# Altium PCB Power.PcbDoc (continued)
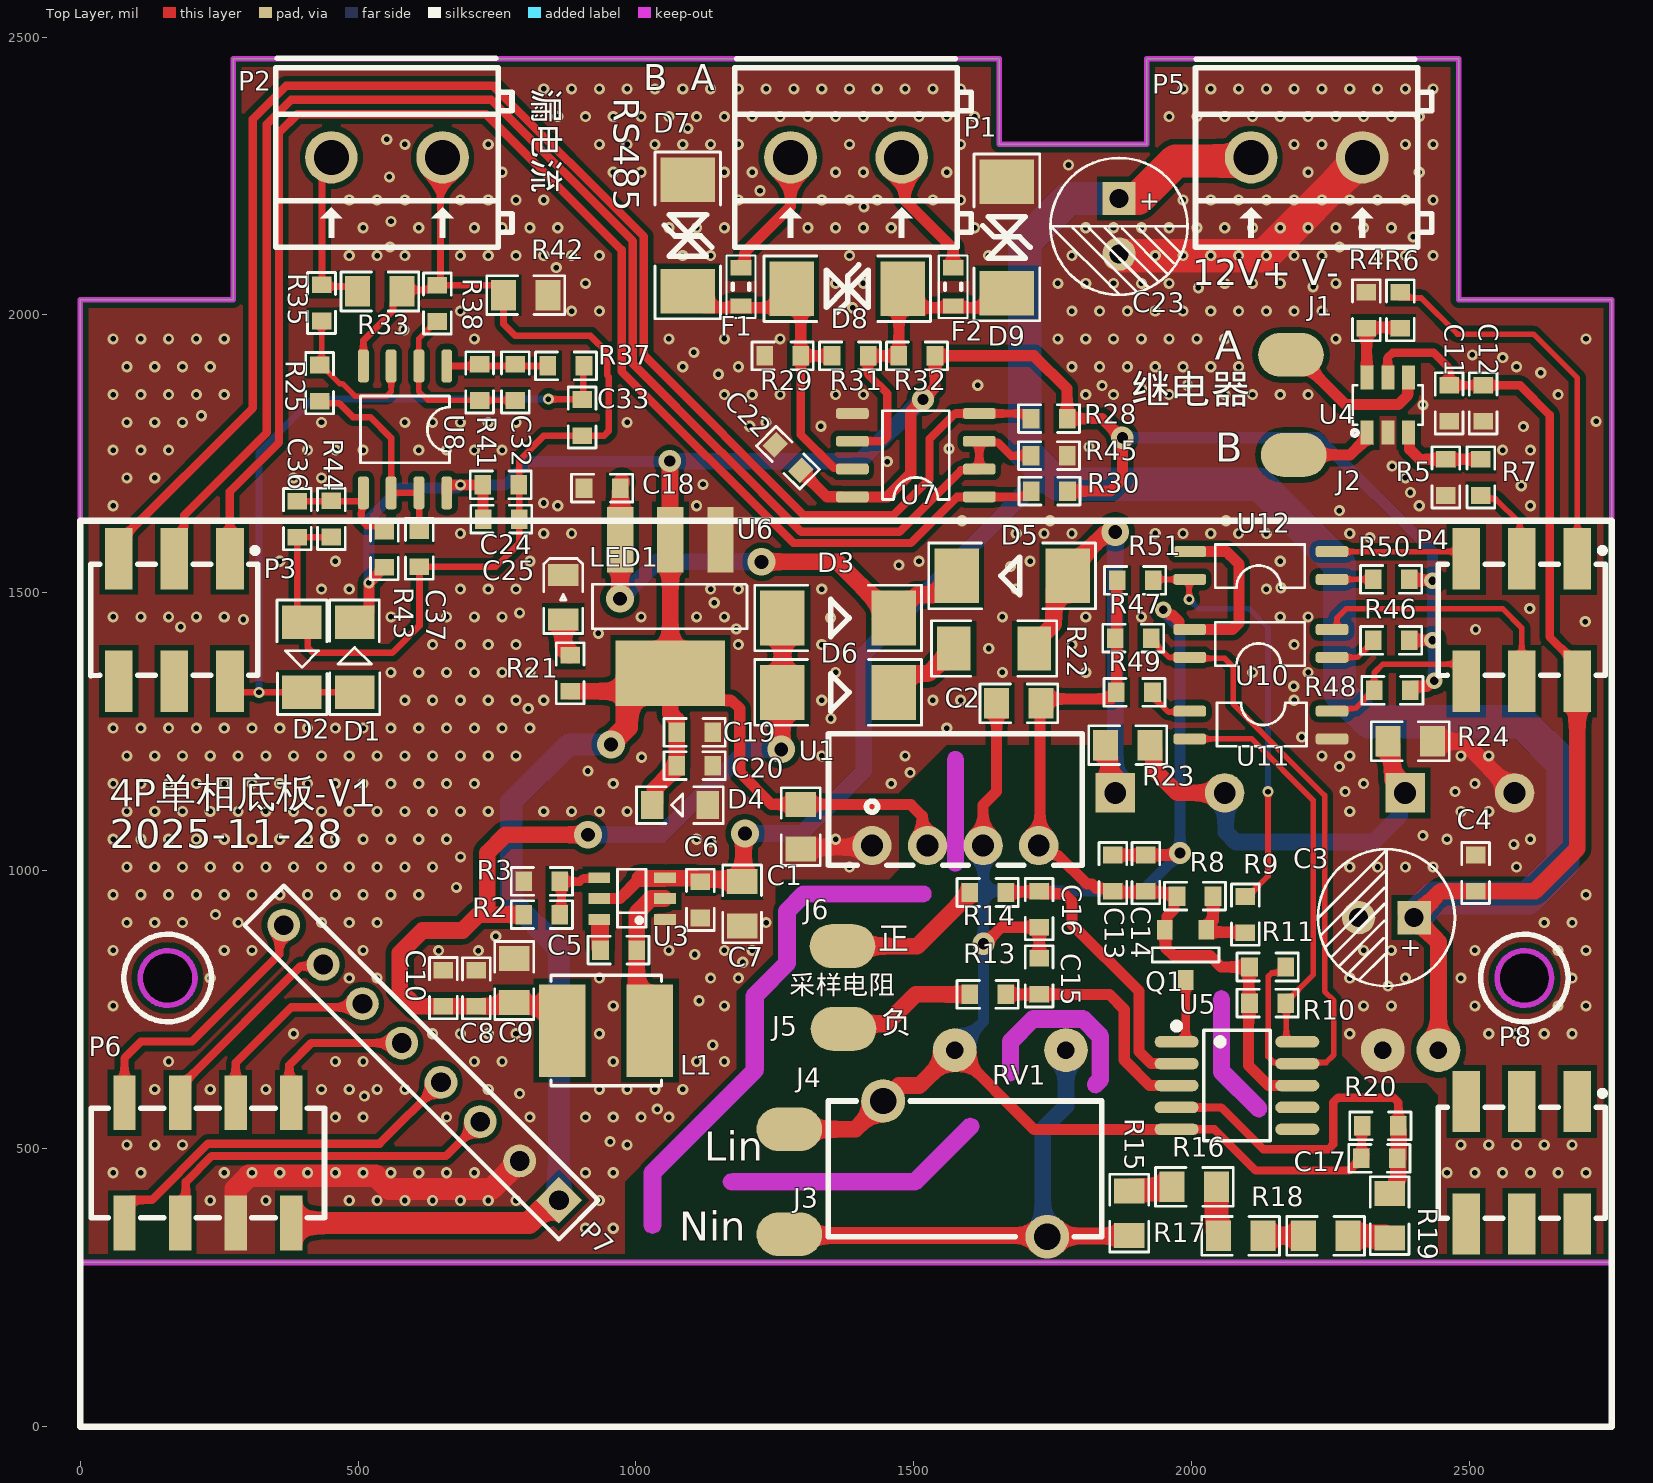
[diagram p0: Top Layer view]
## Nets (pads, with @x,y where several pads share a name; then routed paths per layer and width w, separated by ;. In a path a pad name is that pad's centre, name@x,y a point inside that pad or via, vN(x,y) a via of type N, cw(c..) or ccw(c..) an arc to the next point about the centre after c; other vN are vias at no path point)
4G_MCU_RXD: P6.1 P7.5 | length 287.8
  Top Layer w15: P6.1 376.4,586.36 376.4,650.59 415.9,690.09 P7.5
4G_MCU_TXD: P6.8 P7.4 | length 691.3
  Top Layer w15: P6.8 79.92,395.43 92.49,408.01 129.48,408.01 230.51,509.03 539,509.03 P7.4
4G_Reset: P6.6 P7.3 | length 653.1
  Top Layer w15: P6.6 190.23,376.61 190.23,440.47 236.74,486.98 658.36,486.98 P7.3
485_A: F2.2 P1.2 | length 236.8
  Top Layer w20: P1.2 1484.27,2277.4 1484.27,2206.34 1570.73,2119.88 F2.2
485_B: F1.2 P1.1 | length 237.1
  Top Layer w20: F1.2 1192.14,2085.16 1195.92,2088.94 1195.92,2113.2 1278.09,2195.36 P1.1
AGND: C24.1 C25.1 C33.2 C36.2 C37.2 D2.2 P2.2 R33.1 R38.2 R42.2 R44.2 U8.4 | length 2120.4
  Top Layer w12: R44.2 451.67,1600.31 391.03,1600.31 C36.2 390.78,1455.23 D2.2 409.38,1436.63 409.38,1401.98 418.99,1392.37 561.76,1392.37 610.51,1441.13 C37.2 747.73,1546.92 790.23,1589.42 C25.1 790.23,1738.54 834.63,1782.94 C33.2 942.92,1782.94 950.9,1790.92 950.9,1888.72 948.35,1891.27 948.35,1932.51 918.42,1962.45 783.03,1962.45 761.78,1983.7 R42.2 761.78,2036.7 745.28,2053.2 R38.2@648.27,2053.2 ; U8.4 509.66,1954.34 562.84,2007.53 562.84,2020.85 574.63,2032.64 579.34,2032.64 R33.1 ; R33.1@581.52,2032.64 594.01,2045.14 R38.2@642.83,2045.14 ; R38.2 R38.2@648.27,2053.2 ; P2.2 648.27,2279.82 R38.2@648.27,2053.2
BL0942_Control: R9.2 R51.1 U12.4 | length 768.7
  Top Layer w10: R51.1 1932.64,1524.26 U12.4 1995.28,1523.07 v1(1995.28,1488.25) ; R9.2 2106.47,963.67 2110.42,963.67 2137.2,990.45 v1(2137.2,1142.44)
  Bottom Layer w10: v1(1995.28,1488.25) 2011.98,1471.55 2102.71,1471.55 2137.2,1437.06 v1(2137.2,1142.44)
BL0942_MCU_RXD: P4.6 R48.1 U11.4 | length 315.7
  Top Layer w10: U11.4 2257.2,1292.03 2294.5,1292.03 2314.42,1311.94 2318.3,1311.94 2328.3,1321.94 R48.1 2328.3,1356.33 2343.87,1371.91 2473.69,1371.91 2493.69,1351.91 P4.6
BL0942_MCU_TXD: P4.4 U10.2 | length 476.5
  Top Layer w10: U10.2 2256.4,1434.07 2261.24,1438.91 2261.24,1454.75 2278.04,1471.55 2559.2,1471.55 2593.69,1437.06 P4.4
BL0942_RXD: R11.1 R47.1 U5.9 U10.4 | length 1254.9
  Top Layer w10: R47.1 1927.32,1415.9 1959.15,1384.07 U10.4 1998.39,1382.14 2059.31,1382.14 2074.64,1366.81 2074.64,1300.27 2239.13,1135.77 2239.13,783.08 2255.84,766.37 2255.84,669.09 2241.8,655.04 2191.88,655.04 U5.9 2187.79,655.04 2147.77,655.04 2137.2,665.61 2137.2,709.08 2137.97,709.85 2137.97,810.19 2144.14,816.35 2157.41,816.35 2167.41,826.35 R11.1@2167.41,826.8
BL0942_TXD: R10.1 U5.10 U11.2 | length 739.2
  Top Layer w10: U11.2 2108.22,1237.18 2218.46,1126.95 2218.46,812.74 2170.07,764.36 2170.07,697.3 2175,692.37 U5.10
GND: C1.2 C3.2 C4.1 C6.1 C7.2 C8.1 C9.2 C10.1 C11.1 C12.1 C18.1 C19.1 C20.1 C22.2 C23.2 D4.2 D7.1 D9.2 LED1.2 P5.2 P6.4 P7.2 R3.2 R4.1 R5.1 R24.1 R29.1 R42.1 R45.2 SC2.2 U1.1 U2.4 U3.1 U4.2 U6.1 U7.5 U11.3 | length 1441.7
  Top Layer w30: C1.2 1299.45,1042.44 1421.81,1042.44 U1.1 ; R24.1 2487.96,1233.01 SC2.2
  Top Layer w40: P6.4 279.99,366.37 279.99,427.71 303.43,451.14 532.09,451.14 555.75,427.48 740.29,427.48 P7.2
  Top Layer w60: C23.2 1871.79,2106.68 2129.86,2106.68 P5.2
  other v1: 909.27,356.83 959.27,356.83 234.27,406.83 334.27,406.83 484.27,406.83 534.27,406.83 584.27,406.83 634.27,406.83 684.27,406.83 734.27,406.83 784.27,406.83 934.27,406.83 59.27,456.83 109.27,456.83 259.27,456.83 309.27,456.83 359.27,456.83 409.27,456.83 459.27,456.83 509.27,456.83 559.27,456.83 609.27,456.83 659.27,456.83 709.27,456.83 909.27,456.83 959.27,456.83 2459.27,456.83 2509.27,456.83 2559.27,456.83 2609.27,456.83 2659.27,456.83 2709.27,456.83 84.27,506.83 134.27,506.83 184.27,506.83 984.27,506.83 2484.27,506.83 2534.27,506.83 2584.27,506.83 2634.27,506.83 2684.27,506.83 953.7,512.86 459.27,556.83 509.27,556.83 659.27,556.83 809.27,556.83 909.27,556.83 959.27,556.83 1009.27,556.83 1059.27,556.83 1038.43,571.26 511.51,594.73 790.77,599.16 134.27,606.83 234.27,606.83 334.27,606.83 434.27,606.83 484.27,606.83 534.27,606.83 584.27,606.83 734.27,606.83 934.27,606.83 984.27,606.83 1034.27,606.83 1084.27,606.83 159.27,656.83 459.27,656.83 509.27,656.83 709.27,656.83 759.27,656.83 959.27,656.83 1109.27,656.83 1159.27,656.83 1138.16,686.53 384.27,706.83 634.27,706.83 684.27,706.83 734.27,706.83 784.27,706.83 934.27,706.83 2284.27,706.83 2534.27,706.83 2584.27,706.83 2634.27,706.83 2684.27,706.83 59.27,756.83 959.27,756.83 1159.27,756.83 2309.27,756.83 2359.27,756.83 2509.27,756.83 2659.27,756.83 2709.27,756.83 1113.55,766.17 2353.08,792.47 234.27,806.83 484.27,806.83 534.27,806.83 934.27,806.83 1134.27,806.83 1184.27,806.83 2284.27,806.83 2384.27,806.83 2484.27,806.83 2684.27,806.83 1192.29,835.47 1105.83,849.38 645.05,856.3 716.59,856.3 59.27,856.83 259.27,856.83 309.27,856.83 509.27,856.83 1059.27,856.83 1159.27,856.83 1209.27,856.83 2309.27,856.83 2359.27,856.83 2509.27,856.83 2659.27,856.83 2709.27,856.83 747.83,882.27 84.27,906.83 134.27,906.83 184.27,906.83 284.27,906.83 434.27,906.83 484.27,906.83 534.27,906.83 1234.27,906.83 2634.27,906.83 2684.27,906.83 243.61,921.14 59.27,956.83 109.27,956.83 159.27,956.83 209.27,956.83 259.27,956.83 309.27,956.83 359.27,956.83 409.27,956.83 459.27,956.83 509.27,956.83 559.27,956.83 609.27,956.83 2709.27,956.83 676.94,970.12 84.27,1006.83 134.27,1006.83 184.27,1006.83 234.27,1006.83 284.27,1006.83 334.27,1006.83 384.27,1006.83 434.27,1006.83 484.27,1006.83 534.27,1006.83 584.27,1006.83 634.27,1006.83 1384.27,1006.83 2284.27,1006.83 2334.27,1006.83 2384.27,1006.83 2434.27,1006.83 2584.27,1006.83 684.44,1025.11 2579.59,1047.51 1134.59,1051.85 59.27,1056.83 109.27,1056.83 159.27,1056.83 209.27,1056.83 259.27,1056.83 309.27,1056.83 359.27,1056.83 409.27,1056.83 459.27,1056.83 509.27,1056.83 559.27,1056.83 609.27,1056.83 659.27,1056.83 1109.27,1056.83 1359.27,1056.83 2459.27,1056.83 2609.27,1056.83 2415.9,1063.33 84.27,1106.83 134.27,1106.83 184.27,1106.83 234.27,1106.83 284.27,1106.83 334.27,1106.83 384.27,1106.83 434.27,1106.83 484.27,1106.83 534.27,1106.83 584.27,1106.83 634.27,1106.83 684.27,1106.83 734.27,1106.83 834.27,1106.83 884.27,1106.83 934.27,1106.83 984.27,1106.83 2284.27,1106.83 2484.27,1106.83 2534.27,1106.83 2275.98,1142.44 2473.69,1142.44 59.27,1156.83 109.27,1156.83 159.27,1156.83 209.27,1156.83 259.27,1156.83 309.27,1156.83 359.27,1156.83 409.27,1156.83 459.27,1156.83 509.27,1156.83 559.27,1156.83 609.27,1156.83 659.27,1156.83 709.27,1156.83 959.27,1156.83 1459.27,1156.83 2309.27,1156.83 2509.27,1156.83 1493.23,1176.77 913.7,1179.53 2265.7,1187.5 1010.16,1204.37 84.27,1206.83 134.27,1206.83 184.27,1206.83 234.27,1206.83 284.27,1206.83 334.27,1206.83 384.27,1206.83 434.27,1206.83 484.27,1206.83 534.27,1206.83 584.27,1206.83 634.27,1206.83 684.27,1206.83 734.27,1206.83 784.27,1206.83 1334.27,1206.83 1484.27,1206.83 2234.27,1206.83 2284.27,1206.83 2484.27,1206.83 2534.27,1206.83 2197.87,1240.7 59.27,1256.83 109.27,1256.83 159.27,1256.83 209.27,1256.83 259.27,1256.83 309.27,1256.83 359.27,1256.83 409.27,1256.83 459.27,1256.83 509.27,1256.83 559.27,1256.83 609.27,1256.83 659.27,1256.83 709.27,1256.83 759.27,1256.83 809.27,1256.83 1559.27,1256.83 1350.65,1273.94 806.29,1291.63 584.27,1306.83 634.27,1306.83 684.27,1306.83 734.27,1306.83 784.27,1306.83 834.27,1306.83 1334.27,1306.83 1534.27,1306.83 1584.27,1306.83 2184.27,1306.83 2183.55,1331.94 559.27,1356.83 609.27,1356.83 659.27,1356.83 709.27,1356.83 759.27,1356.83 809.27,1356.83 1359.27,1356.83 1659.27,1356.83 1809.27,1356.83 2109.27,1356.83 2209.27,1356.83 1634.81,1399.87 634.27,1406.83 684.27,1406.83 734.27,1406.83 784.27,1406.83 1184.27,1406.83 1334.27,1406.83 1784.27,1406.83 2184.27,1406.83 932.47,1427.06 2510.58,1434.07 1180.45,1435.34 180.79,1438.73 2707.95,1448.28 293.85,1452.06 1350.12,1455.25 59.27,1456.83 109.27,1456.83 159.27,1456.83 209.27,1456.83 259.27,1456.83 559.27,1456.83 659.27,1456.83 709.27,1456.83 759.27,1456.83 1009.27,1456.83 1109.27,1456.83 1159.27,1456.83 1659.27,1456.83 1809.27,1456.83 1909.27,1456.83 2159.27,1456.83 2209.27,1456.83 790.77,1463.96 2608.03,1471.55 1140.88,1482.32 434.27,1506.83 484.27,1506.83 684.27,1506.83 734.27,1506.83 784.27,1506.83 1134.27,1506.83 1184.27,1506.83 1334.27,1506.83 1684.27,1506.83 2134.27,1506.83 2160.37,1509.26 1673.61,1547.36 1473.09,1549.83 359.27,1556.83 459.27,1556.83 809.27,1556.83 1509.27,1556.83 1709.27,1556.83 2159.27,1556.83 2320.54,1599.29 684.27,1606.83 834.27,1606.83 884.27,1606.83 1684.27,1606.83 1734.27,1606.83 1784.27,1606.83 1934.27,1606.83 1984.27,1606.83 2034.27,1606.83 2084.27,1606.83 2134.27,1606.83 2284.27,1606.83 1586.48,1629.77 1745.04,1629.77 2061.29,1629.77 2265.7,1648 59.27,1656.83 859.27,1656.83 1109.27,1656.83 2409.27,1656.83 2609.27,1656.83 833.81,1661.72 2393.3,1680.57 2592.89,1692.76 1120.66,1695.28 84.27,1706.83 134.27,1706.83 384.27,1706.83 434.27,1706.83 2384.27,1706.83 2360.58,1728.07 1452.08,1736.22 59.27,1756.83 109.27,1756.83 159.27,1756.83 409.27,1756.83 459.27,1756.83 509.27,1756.83 609.27,1756.83 659.27,1756.83 709.27,1756.83 759.27,1756.83 2559.27,1756.83 2609.27,1756.83 1563.58,1759.28 1815.07,1762.76 2596.7,1799.09 1204.8,1799.86 1332.78,1799.86 84.27,1806.83 134.27,1806.83 184.27,1806.83 434.27,1806.83 584.27,1806.83 634.27,1806.83 684.27,1806.83 734.27,1806.83 784.27,1806.83 984.27,1806.83 1234.27,1806.83 2727.41,1808.51 218.21,1818.69 2415.79,1838.08 59.27,1856.83 109.27,1856.83 159.27,1856.83 209.27,1856.83 259.27,1856.83 1159.27,1856.83 1209.27,1856.83 1259.27,1856.83 1359.27,1856.83 1409.27,1856.83 1809.27,1856.83 1859.27,1856.83 1959.27,1856.83 2059.27,1856.83 2109.27,1856.83 2159.27,1856.83 2209.27,1856.83 2659.27,1856.83 1909.82,1867.35 1838.82,1872.8 1614.92,1873.51 1992.3,1873.51 1148.24,1893.24 2627.79,1896.01 84.27,1906.83 134.27,1906.83 184.27,1906.83 234.27,1906.83 1084.27,1906.83 1184.27,1906.83 1784.27,1906.83 1834.27,1906.83 1884.27,1906.83 1934.27,1906.83 1984.27,1906.83 2034.27,1906.83 2084.27,1906.83 2584.27,1906.83 2559.6,1923.12 2505,1928.28 1104.18,1932.51 59.27,1956.83 109.27,1956.83 159.27,1956.83 209.27,1956.83 259.27,1956.83 709.27,1956.83 1059.27,1956.83 1159.27,1956.83 1259.27,1956.83 1759.27,1956.83 1809.27,1956.83 1859.27,1956.83 1909.27,1956.83 1959.27,1956.83 2009.27,1956.83 2059.27,1956.83 2259.27,1956.83 2709.27,1956.83 582.67,1973.46 684.27,2006.83 884.27,2006.83 934.27,2006.83 1784.27,2006.83 1834.27,2006.83 1884.27,2006.83 1934.27,2006.83 1984.27,2006.83 2034.27,2006.83 2084.27,2006.83 2134.27,2006.83 2184.27,2006.83 2234.27,2006.83 1389.7,2013.02 2011.98,2048.9 2218.46,2050.71 909.27,2056.83 1359.27,2056.83 1409.27,2056.83 1759.27,2056.83 1809.27,2056.83 1859.27,2056.83 1909.27,2056.83 1959.27,2056.83 2059.27,2056.83 2109.27,2056.83 2159.27,2056.83 2259.27,2056.83 856.64,2085.16 484.27,2106.83 534.27,2106.83 584.27,2106.83 684.27,2106.83 734.27,2106.83 784.27,2106.83 834.27,2106.83 884.27,2106.83 934.27,2106.83 1084.27,2106.83 1134.27,2106.83 1384.27,2106.83 1634.27,2106.83 1784.27,2106.83 1934.27,2106.83 1984.27,2106.83 2034.27,2106.83 2084.27,2106.83 2134.27,2106.83 2184.27,2106.83 2234.27,2106.83 2334.27,2106.83 2384.27,2106.83 2434.27,2106.83 557.41,2122.16 2265.7,2122.17 2398.3,2140.42 509.27,2156.83 609.27,2156.83 709.27,2156.83 759.27,2156.83 809.27,2156.83 859.27,2156.83 1059.27,2156.83 1109.27,2156.83 1159.27,2156.83 1309.27,2156.83 1359.27,2156.83 1409.27,2156.83 1459.27,2156.83 1609.27,2156.83 1809.27,2156.83 1859.27,2156.83 1909.27,2156.83 1959.27,2156.83 2009.27,2156.83 2059.27,2156.83 2109.27,2156.83 2159.27,2156.83 2209.27,2156.83 2259.27,2156.83 2309.27,2156.83 2359.27,2156.83 559.36,2168.31 1410.12,2194.42 484.27,2206.83 534.27,2206.83 584.27,2206.83 684.27,2206.83 734.27,2206.83 784.27,2206.83 834.27,2206.83 1184.27,2206.83 1334.27,2206.83 1384.27,2206.83 1434.27,2206.83 1534.27,2206.83 1584.27,2206.83 1984.27,2206.83 2034.27,2206.83 2084.27,2206.83 2134.27,2206.83 2184.27,2206.83 2234.27,2206.83 2284.27,2206.83 2334.27,2206.83 2384.27,2206.83 2434.27,2206.83 1223.26,2223.4 556.34,2248.43 759.27,2256.83 959.27,2256.83 1009.27,2256.83 1159.27,2256.83 1209.27,2256.83 1359.27,2256.83 1409.27,2256.83 1559.27,2256.83 2209.27,2256.83 2409.27,2256.83 1778.29,2269.8 584.27,2306.83 734.27,2306.83 934.27,2306.83 984.27,2306.83 1034.27,2306.83 1084.27,2306.83 1134.27,2306.83 1184.27,2306.83 1384.27,2306.83 1584.27,2306.83 2184.27,2306.83 2234.27,2306.83 2384.27,2306.83 2434.27,2306.83 551.62,2315.83 1093.44,2335.58 859.27,2356.83 909.27,2356.83 959.27,2356.83 1009.27,2356.83 1059.27,2356.83 1109.27,2356.83 1159.27,2356.83 1209.27,2356.83 1259.27,2356.83 1309.27,2356.83 1359.27,2356.83 1409.27,2356.83 1459.27,2356.83 1509.27,2356.83 1559.27,2356.83 1609.27,2356.83 1959.27,2356.83 2009.27,2356.83 2059.27,2356.83 2109.27,2356.83 2159.27,2356.83 2209.27,2356.83 2259.27,2356.83 2309.27,2356.83 2359.27,2356.83 2409.27,2356.83 834.27,2406.83 884.27,2406.83 934.27,2406.83 984.27,2406.83 1034.27,2406.83 1084.27,2406.83 1134.27,2406.83 1184.27,2406.83 1234.27,2406.83 1284.27,2406.83 1334.27,2406.83 1384.27,2406.83 1434.27,2406.83 1484.27,2406.83 1534.27,2406.83 1584.27,2406.83 1984.27,2406.83 2034.27,2406.83 2084.27,2406.83 2134.27,2406.83 2184.27,2406.83 2234.27,2406.83 2284.27,2406.83 2334.27,2406.83 2384.27,2406.83 2434.27,2406.83
IN1: C16.1 R14.2 U5.2 | length 524.6
  Top Layer w20: R14.2 1666.64,962.21 1724.36,962.21 C16.1 1730.61,958.46 1770.89,958.46 1778.21,951.15 1784.86,944.49 1784.86,903.54 1905.1,783.3 1905.1,674.73 1926.7,653.13 1972.65,653.13 U5.2
IP1: C15.1 R13.2 U5.3 | length 428.7
  Top Layer w20: R13.2 C15.1 1851.59,777.58 1878.55,750.63 1878.55,659.41 1924.21,613.76 1972.65,613.76 U5.3
Lin: C2.2 C13.1 C14.1 C15.2 C16.2 C17.2 J4.1 R20.1 RV1.2 U1.3 U2.1 U5.5 U10.3 U12.3 | length 3399.8
  Top Layer w15: U5.5 2040.93,534.89 2114.91,460.91 2283.36,460.91 2294.91,472.47 2297.41,472.47 2304.91,479.97 C17.2 2305.81,483.37 2305.81,540.38 R20.1
  Top Layer w20: U2.1 1716.3,534.89 U5.5 ; U1.3 1624.77,1118.21 1649,1142.44 C2.2 ; v3(1625.41,868.66) 1628.11,868.66 1657.91,898.46 C16.2 C15.2 ; C13.1 C14.1 1975.23,1028.37 v3(1978.84,1031.97) ; v4(1948.45,1469.37) 1951.16,1469.37 1960.44,1460.09 1965.06,1460.09 1976.94,1448.22 1976.94,1434.22 1977.09,1434.07 2072.99,1434.07 2084.7,1445.78 2084.7,1551.69 2069.31,1567.08 2062.13,1574.26 U12.3 ; C17.2@2309.91,483.56 2309.91,489.97 C17.2@2310.24,489.97
  Top Layer w30: J4.1 1394.92,535.09 1473.46,613.63 1509.93,613.63 U2.1
  Bottom Layer w20: U2.1 1625.41,729.11 v3(1625.41,868.66) 1625.09,868.98 1625.09,963.67 ; U1.3 1625.09,1045.07 1625.09,963.67 ; v4(1948.45,1469.37) 1948.45,1466.66 1978.84,1436.27 v3(1978.84,1031.97) 1910.54,963.67 1625.09,963.67
Lora_MCU_RXD: P6.7 P7.8 | length 491.9
  Top Layer w15: P6.7 79.92,663.01 109.68,692.78 201.47,692.78 358.07,849.38 358.07,893.8 P7.8
Lora_MCU_TXD: P6.5 P7.7 | length 377.4
  Top Layer w15: P6.5 179.92,611.97 192.49,624.55 193.27,624.55 396.94,828.21 433.91,828.21 P7.7
Lora_Reset: P6.3 P7.6 | length 343.7
  Top Layer w15: P6.3 279.92,654.55 379.69,754.32 501.45,754.32 P7.6
LoseCurrent: C33.1 D1.2 D2.1 P3.2 R37.1 | length 1353.6
  Top Layer w12: P3.2@273.29,1337.26 P3.2 269.53,1339.99 288.53,1320.99 D1.2 ; v1(842.64,1848.69) 843.02,1848.31 902.87,1848.31 C33.1 904.95,1849.63 904.95,1906.55 R37.1
  Bottom Layer w12: v1(321.89,1320.99) 321.89,1752.68 417.9,1848.69 v1(842.64,1848.69)
MCU_BL0942_Control: P4.5 U12.2 | length 246.6
  Top Layer w10: U12.2 2480.93,1574.26 P4.5
NetC5_1: C5.1 L1.1 U3.2 | length 283.1
  Top Layer w30: L1.1 1001.2,736.52 C5.1 1001.2,923.83 1027.43,950.06 U3.2
NetC5_2: C5.2 U3.6 | length 86.6
  Top Layer w30: C5.2@933.97,861.5 933.97,902.23 936.2,900 C5.2
NetC32_1: C32.1 R38.1 R41.2 U8.2 | length 321.2
  Top Layer w10: R38.1 640.33,1988.2 609.66,1957.52 U8.2 609.66,1862.25 625.68,1846.22 R41.2 C32.1
NetC32_2: C32.2 R37.2 R41.1 U8.1 | length 182
  Top Layer w12: U8.1 R37.2
NetC36_1: C36.1 R43.2 R44.1 U8.5 | length 216
  Top Layer w12: C36.1 U8.5@505.81,1665.05 ; U8.5 505.81,1676.06 U8.5@505.81,1665.05 ; R43.2 538.28,1619.91 515.67,1619.91 505.81,1629.77 U8.5@505.81,1665.05
NetD5_2: D5.2 R22.1 R23.2 SC1.1 | length 842.1
  Top Layer w30: R22.1 1716.95,1409.24 1751.86,1444.15 1751.86,1505.61 D5.2 1776.86,1539.82 1842.98,1605.95 1858.49,1605.95 v2(1862.32,1609.77) ; R23.2 1852.36,1218.52 1852.36,1150.22 SC1.1
  Bottom Layer w30: v2(1862.32,1609.77) 1862.32,1140.27 SC1.1
NetD6_1: D6.1 R22.2 | length 151.9
  Top Layer w30: D6.1 1463.62,1330.1 1488.62,1355.1 1527.18,1355.1 1547.58,1375.5 1556.95,1375.5 1571.95,1390.5 R22.2
NetD7_2: D7.2 D8.1 F1.1 R29.2 R31.1 U7.7 | length 651.6
  Top Layer w15: R29.2 1296.5,1784.76 1356.16,1725.09 1387.06,1725.09 U7.7
  Top Layer w20: D7.2 1123.29,2013.07 1215.01,2013.07 1215.06,2013.02 1250.2,2013.02 1280.2,2043.02 1296.5,2026.72 R29.2 R31.1
NetD8_2: D8.2 D9.1 F2.1 R31.2 R32.1 U7.6 | length 619.5
  Top Layer w15: U7.6 1443.62,1772.75 1452.4,1781.54 1452.4,1858.57 1417.73,1893.24 R31.2
  Top Layer w20: R31.2 R32.1 ; R32.1 1473.14,2040.06 D8.2 1480.2,2043.02 1510.2,2013.02 1640.92,2013.02 D9.1
NetJ5_1: J5.1 R13.1 | length 252.6
  Top Layer w30: J5.1 1382.79,724.88 1450.48,724.88 1503.18,777.58 R13.1
NetJ6_1: J6.1 R14.1 | length 270.3
  Top Layer w30: J6.1 1506.38,864.46 1600.39,958.46 R14.1
NetLED1_1: LED1.1 R21.2 | length 70.7
  Top Layer w30: LED1.1 869.28,1397.78 879.14,1387.92 R21.2
NetP2_1: P2.1 R33.2 R35.2 | length 303.3
  Top Layer w12: R35.2 435.29,2055.03 435.29,2244.52 452.03,2261.26 P2.1 ; R35.2@442.73,2051.28 482.88,2051.28 R33.2@501.52,2032.64
NetQ1_1: Q1.1 R8.1 R9.1 | length 126.3
  Top Layer w20: Q1.1@2026.36,893.15 2030.14,889.37 R9.1@2081.65,889.37 ; R8.1@2038.72,954.39 2038.72,910.27 Q1.1@2026.36,897.92 ; Q1.1@2026.36,897.92 Q1.1 Q1.1@2026.36,897.92
NetQ1_3: Q1.3 U5.1 | length 125.7
  Top Layer w15: U5.1 1986.34,692.37 1988.96,694.99 Q1.3
NetR2_2: R2.2 R3.1 U3.4 | length 138.2
  Top Layer w15: R2.2@866.12,913.01 866.12,980.46 898.78,980.46 904.28,985.96 932.47,985.96 U3.4
NetR4_2: R4.2 R6.2 U4.6 | length 149.3
  Top Layer w20: U4.6 2314.69,1887.99 2314.69,1977.64 R6.2@2373.36,1977.64
NetR5_2: R5.2 R7.1 U4.3 | length 166.8
  Top Layer w20: U4.3 2392.01,1787.05 2392.01,1758.49 2410.25,1740.26 R7.1
NetR15_1: R15.1 R16.2 | length 81.5
  Top Layer w40: R15.1 1890.13,426.45 1962.14,426.45 1964.64,428.95 R16.2
NetR16_1: R16.1 R17.2 | length 89.5
  Top Layer w40: R16.1 2044.64,351.45 2047.88,348.2 R17.2
NetR17_1: R17.1 R18.2 | length 73
  Top Layer w30: R17.1 R18.2
NetR18_1: R18.1 R19.2 | length 76.6
  Top Layer w40: R18.1 2347.49,343.21 2350.99,339.71 R19.2
NetR23_1: R23.1 R24.2 SC1.2 SC2.1 | length 753.6
  Top Layer w30: R23.1 1932.36,1218.52 1932.36,1181.67 1973.9,1140.13 SC1.2 ; R24.2 2360.58,1225.51 2360.58,1163.54 SC2.1
  Bottom Layer w30: SC1.2 2061.29,1138.15 2061.29,1069.42 2078.87,1051.85 2326.76,1051.85 2373.75,1098.83 2373.75,1129.89 SC2.1
NetR25_2: R25.2 R35.1 U8.3 | length 277.6
  Top Layer w10: R35.1 434.38,1909.05 467,1876.43 472.03,1876.43 494.38,1854.08 551.62,1854.08 559.66,1862.11 U8.3
NetR46_2: R46.2 U10.1 | length 88
  Top Layer w10: U10.1 2298.2,1384.07 2326.25,1412.11 R46.2
NetR49_2: R49.2 U11.1 | length 85.8
  Top Layer w10: R49.2 1939.41,1310.89 1939.41,1304.38 1957.79,1286.01 1995.28,1286.01 U11.1
NetR50_2: R50.2 U12.1 | length 73.9
  Top Layer w10: U12.1 R50.2
Nin: J3.1 R15.2 RV1.1 U2.2 | length 970.7
  Top Layer w30: J3.1 1278.26,343.89 1737.86,343.89 RV1.1 1741.14,342.83 1886.52,342.83 R15.2
  Bottom Layer w30: RV1.1 1731.86,349.9 1731.86,534.89 1773.75,576.78 U2.2
Relay_C_A: P4.3 R7.2 | length 156.3
  Top Layer w10: R7.2 2526.13,1669.24 2546.76,1669.24 2590.25,1625.75 2590.25,1564.94 P4.3
Relay_C_B: P4.1 R6.1 | length 703.2
  Top Layer w10: R6.1@2375.25,2030.52 2412.9,2030.52 2477.9,1965.52 2614.77,1965.52 2693.69,1886.6 P4.1
Relay_O_A: J1.1 U4.4 | length 286.7
  Top Layer w20: J1.1 2186.99,1928.28 2276.49,1838.77 2371.97,1838.77 2388.39,1855.18 2388.39,1885.48 U4.4
Relay_O_B: J2.1 U4.1 | length 154.4
  Top Layer w20: J2.1 2284.65,1748.28 2315.4,1779.02 U4.1
RS485_DIR: P3.3 R45.1 U7.2 U7.3 | length 2802.5
  Top Layer w15: P3.3 187.03,1578.99 187.03,1639.58 335.97,1788.52 335.97,2343.53 379.47,2387.03 740.1,2387.03 994.35,2132.78 994.35,1912.24 1153.19,1753.4 1153.83,1753.4 1297.46,1609.77 1473.9,1609.77 1584.54,1720.41 1615.41,1720.41 U7.2 U7.3 1620.1,1770.41 1651.14,1770.41 1674.77,1746.78 R45.1
RS485_RX: P3.1 R30.1 U7.1 | length 2658.2
  Top Layer w15: P3.1 269.53,1682.28 357.72,1770.47 357.72,2328.04 390.8,2361.12 730.3,2361.12 974.35,2117.07 974.35,1898.57 1283.15,1589.77 1494.67,1589.77 1577.65,1672.75 U7.1 1703.68,1672.75 1711.5,1680.57 R30.1
RS485_TX: P3.5 R28.1 U7.4 | length 2884
  Top Layer w15: P3.5 69.53,1591.61 310.74,1832.83 310.74,2352.55 370.47,2412.28 743.15,2412.28 1014.35,2141.07 1014.35,1927.7 1302.62,1639.43 1462.82,1639.43 1528.06,1704.68 1528.06,1777.07 1573.75,1822.75 U7.4 1703.24,1822.75 1710.74,1815.25 R28.1
VCC5.4: C8.2 C9.1 C10.2 D3.2 D6.2 L1.2 R2.1 | length 1602.2
  Top Layer w20: L1.2@835.98,756.32 867.79,724.51 L1.2
  Top Layer w30: R2.1 732.76,921.14 ; L1.2@835.98,756.32 C10.2 604.73,756.32 592.21,768.85 575.21,785.85 575.21,852.22 615.65,892.66 688.11,892.66 716.59,921.14 732.76,921.14 ; v2(913.7,1064.92) 765.23,1064.92 732.76,1032.45 732.76,921.14 ; v2(1261.5,1218.52) 1262.56,1219.58 1262.56,1319.83 D6.2 D3.2
  Bottom Layer w30: v2(913.7,1064.92) 1045.97,1064.92 1199.57,1218.52 v2(1261.5,1218.52)
VCC5_CAP: C18.2 D3.1 D5.1 U6.3 | length 925.6
  Top Layer w30: v2(971.22,1489.51) 971.5,1489.79 971.5,1595.06 U6.3 971.79,1695.28 974.41,1697.9 C18.2@974.41,1700.4 ; v2(1226.02,1555.84) 1362.53,1555.84 1429.41,1488.96 1438.62,1488.96 D3.1@1463.62,1463.96 ; D3.1 D3.1@1463.62,1463.96 ; D5.1 1576.86,1521.39 1551.86,1496.39 1505.26,1496.39 1497.83,1488.96 1488.62,1488.96 D3.1@1463.62,1463.96
  Bottom Layer w30: v2(971.22,1489.51) 1037.55,1555.84 v2(1226.02,1555.84)
VCC12: C3.1 C4.2 C6.2 C7.1 C11.2 C12.2 C23.1 P4.2 P5.1 U2.5 U3.3 U3.5 U4.5 | length 5764.5
  Top Layer w15: U4.5@2352.44,1887.65 2352.44,1923.12 2361.23,1931.91 2435.6,1931.91 2463.03,1904.47 C11.2 2590.72,1873.51 2643.89,1820.34 2643.89,1420.94 2693.69,1371.14 P4.2
  Top Layer w20: U3.5 971.17,950.06 1007.33,986.22
  Top Layer w30: 1007.33,986.22 U3.3@1050.84,986.22 ; U3.3@1056.77,986.46 1107.08,986.46 1113.38,980.16 C6.2 ; C6.2@1115.88,984.59 1186.89,984.59 C7.1 1193.6,983.04 1193.6,1064.41 v2(1196.17,1066.98) ; U2.5 2443.82,872.04 C3.1 2448,963.46 C4.2 2617.27,963.46 2693.69,1039.89 P4.2
  Top Layer w60: C23.1 1903.24,2209.4 1970.83,2276.98 2100.16,2276.98 P5.1
  Bottom Layer w30: v2(1196.17,1066.98) 1297.58,1066.98 1410.12,1179.53 1410.12,1390.39 1728.58,1708.85
  Bottom Layer w60: 1728.58,1708.85 1745.04,1708.85 ; C23.1 1778.29,2209.4 1699.81,2130.92 1699.81,1754.07 1736.81,1717.08 1758.61,1695.28 2121.68,1695.28 2265.7,1551.26 2265.7,1320.83 2294.53,1292 2318.52,1268.01 2592.89,1268.01 2667.97,1192.93 2667.97,1014.16 2604.92,951.11 2435.65,951.11 C3.1
VCC33: C1.1 C19.2 C20.2 C22.1 C24.2 C25.2 D1.1 D4.1 P6.2 P7.1 R21.1 R28.2 R30.2 R32.2 R43.1 R46.1 R48.2 R50.1 U1.2 U6.2 U7.8 U8.8 | length 6668.7
  Top Layer w20: D1.1 499.47,1446.98 519.47,1466.98 v1(519.47,1518.1) 539.78,1538.41 539.78,1540.91 544.78,1545.91 R43.1 ; U8.8 659.66,1694.09 659.81,1694.25 v1(684.44,1694.25) C24.2 724.8,1693.81 724.8,1632.98 C25.2 ; D4.1 D4.1@1029.18,1123.21 ; U6.2@1061.94,1355.34 1111,1306.29 1172.23,1306.29 1186.89,1291.63 1186.89,1176.77 1244.17,1119.49 C1.1 1494.38,1119.49 1515.03,1098.83 1515.03,1055.13 U1.2 ; C22.1 1343.9,1672.91 1369.88,1672.91 1370.04,1672.75 U7.8 1452.08,1672.75 1494.38,1715.04 1494.38,1826.09 v3(1516.26,1847.97) 1538.14,1869.85 R32.2 1716.58,1926.51 1775.74,1867.35 R28.2 1838.82,1813.47 1873.27,1779.02 v3(1875.07,1779.02) 1875.07,1704.68 1853.47,1683.07 R30.2 ; R46.1 v4(2433.08,1414.61) ; R50.1 2392.53,1522.97 2431.79,1522.97 v4(2433.08,1521.68) ; R48.2 2393.3,1326.94 2398.3,1331.94 2423.46,1331.94 2433.42,1341.91 v4(2436.13,1341.91)
  Top Layer w30: R21.1 U6.2@990.15,1322.92 ; D4.1 1034.18,1123.21 1034.18,1147.61 1073.16,1186.59 C20.2 C19.2 1073.16,1271.44 1061.94,1282.66 U6.2@1061.94,1355.34 ; U6.2@1049.53,1342.93 U6.2@1061.94,1355.34 ; v3(1060.93,1737.03) 1061.44,1736.53 1061.44,1595.85 1061.94,1595.34 U6.2@1061.94,1355.34
  Top Layer w40: P6.2 807.05,366.3 848,407.25 P7.1 ; v2(955.04,1227.27) 955.04,1229.97 983.52,1258.45 983.52,1316.29 990.15,1322.92 1010.16,1342.93 U6.2@1049.53,1342.93
  Bottom Layer w20: v1(519.47,1518.1) 519.47,1632.63 575.21,1688.37 678.55,1688.37 v1(684.44,1694.25) 764.25,1694.25 806.37,1736.37 v3@1060.27,1736.37 ; 771.56,1077.09 775.67,1072.98 ; v3(1875.07,1779.02) 2228.32,1779.02 2433.08,1574.26 v4(2433.08,1521.68) v4(2433.08,1414.61) 2434.6,1413.09 2434.6,1343.43 v4(2436.13,1341.91)
  Bottom Layer w30: v3(1060.93,1737.03) 1403.4,1737.03 1514.34,1847.97 v3(1516.26,1847.97)
  Bottom Layer w40: P7.1 861.48,860.33 775.67,946.14 775.67,1072.98 775.67,1123.53 879.41,1227.27 v2(955.04,1227.27)
VCC33_G: C2.1 C13.2 C14.2 Q1.2 R8.2 R10.2 R11.2 R47.2 R49.1 R51.2 U1.4 U5.8 | length 1441.9
  Top Layer w20: C13.2@1853.87,960.53 1968.3,960.53 1973.3,955.53 R8.2 ; C13.2 1853.13,968.37 1828.23,968.37 1820.45,976.14 1811.28,976.14 1759.67,1027.76 1756.17,1027.76 1738.53,1045.39 U1.4 1726.88,1047.51 1726.88,1299.16 1736.98,1309.26 1855.29,1309.26 1864.41,1318.39 R49.1 1865.06,1321.54 1865.06,1521.68 R51.2 ; Q1.2@1951.51,894.03 1952.87,892.67 1952.87,861.37 1966.93,847.31 2032.47,847.31 2052.85,826.93 R11.2 ; Q1.2@1951.56,897.92 Q1.2 1955.34,897.76 1955.34,917.68 1968.3,930.64 1968.3,951.11 R8.2@1969.2,952.01 ; R11.2@2102.41,826.8 2102.41,649.82 2138.47,613.76 2189.71,613.76 U5.8
VDD_1.65V: C37.1 R25.1 U8.6 U8.7 | length 373.2
  Top Layer w12: R25.1 435.06,1840.87 466.47,1840.87 491.11,1816.23 522.05,1816.23 559.66,1778.63 U8.6 U8.7 610.08,1679.48 610.08,1612.35 C37.1
VP: C17.1 R19.1 R20.2 U5.4 | length 680.6
  Top Layer w15: U5.4 2053.33,574.26 2128.78,498.81 2245.7,498.81 2254.48,507.6 2254.48,583.05 2263.27,591.84 2362.93,591.84 2371.71,583.05 R20.2
  Top Layer w30: R19.1 2360.99,419.71 2368.49,427.21 2368.49,441.82 2371.46,444.79 2371.46,478.43 2369.91,479.97 C17.1 ; C17.1@2372.41,482.47 R20.2@2372.41,531.96
pads on no net: P3.4 P3.6 P8.1 P8.2 P8.3 P8.4 P8.5 P8.6 U5.6 U5.7

## Polygon pours and split planes (outlines as drawn)
GND on Top Layer "GND_L01_P000" (solid, remove dead copper, pour order 0): 0,295.28 9,304.28 979.95,304.28 979.95,440.42 1180.45,640.91 1180.45,783.39 1250.54,853.48 1250.54,971.71 1263.94,985.11 1455.54,985.11 1473.09,1002.66 1473.09,1140.8 1558.9,1226.62 2086.4,1226.62 2252.37,1060.65 2252.37,686.03 2320.99,617.42 2322.35,618.78 2421.63,618.78 2443.82,596.59 2443.82,187.46 2458.01,173.28 2994.95,173.28 2994.95,2677.28 2707.95,2964.28 142.95,2964.28 142.95,2892.28 -376.05,2373.28 -270.05,2267.28 -270.05,394.28 -99,394.28
GND on Bottom Layer "GND_L02_P001" (solid, remove dead copper, pour order 1): 0,295.28 9,304.28 979.95,304.28 979.95,440.42 1180.45,640.91 1180.45,783.39 1250.54,853.48 1250.54,971.71 1263.94,985.11 1455.54,985.11 1473.09,1002.66 1473.09,1140.8 1558.9,1226.62 2086.4,1226.62 2252.37,1060.65 2252.37,686.03 2320.99,617.42 2322.35,618.78 2421.63,618.78 2443.82,596.59 2443.82,187.46 2458.01,173.28 2994.95,173.28 2994.95,2677.28 2707.95,2964.28 142.95,2964.28 142.95,2892.28 -376.05,2373.28 -270.05,2267.28 -270.05,394.28 -99,394.28

## Keep-outs
Keep-Out Layer:
  circle w10: c2598.43,807.09 r49.21
  circle w10: c157.48,807.09 r49.21
  lines w10: 0,295.28 0,2027.56 275.59,2027.56 275.59,2460.63 1653.54,2460.63 1653.54,2307.45 1881.42,2307.45 1918.79,2307.45 1918.79,2460.13 1919.3,2460.63 2480.31,2460.63 2480.31,2027.56 2755.91,2027.56 2755.91,295.28 0,295.28
  lines w30: 1029.93,362.36 1029.93,456.93 1213.62,640.62 1213.62,775.08 1271.89,833.35 1271.89,927.4 1302.95,958.46 1515.77,958.46 1515.95,958.28 ; 1172.23,440.47 1502.04,440.47 1601.95,540.38 ; 1574.78,1014.84 1574.78,1199.45 ; 1674,637.64 1674,692.75 1714.35,733.1 1804.81,733.1 1835.44,702.48 1835.44,624.54 1826.86,615.96 ; 2053.33,768.86 2053.33,639.5 2120.37,572.46

## Silkscreen, mask and mechanical layers (free items; w line width, h text height)
Top Overlay:
  circle w10: c157.48,807.09 r78.74
  circle w10: c2598.43,807.09 r78.74
  lines w10: 354.33,2462.13 748.03,2462.13 ; 1181.1,2460.63 1574.8,2460.63 ; 2007.87,2460.13 2401.57,2460.13
  lines w11.81: 0,0 0,1629.77 2755.91,1629.77 2755.91,0 0,0
  text "漏电流" at 802.05,2406.83 h78.74 r270
  text "RS485" at 944.74,2390.89 h78.74 r270
  text "B  A" at 1013.59,2388.67 h80
  text "12V+" at 2001.16,2037.95 h80
  text "V-" at 2198.09,2037.85 h80
  text "A" at 2041.77,1901.06 h90
  text "继电器" at 1890.14,1822.99 h90
  text "B" at 2042.71,1717.83 h90
  text "4P单相底板-V1" at 53,1097.11 h90
  text "2025-11-28" at 53,1022.55 h90
  text "正" at 1435.87,845 h70
  text "采样电阻" at 1275.98,765.9 h60
  text "负" at 1440.76,694.2 h70
  text "Lin" at 1122.57,460.12 h90
  text "Nin" at 1077.78,316.78 h90
Bottom Overlay:
  text "RS485" at 1478.09,2361.12 h80
  text "12V 输出" at 2371.97,2361.12 h80
  text "漏电流" at 669.72,2343.28 h80
  text "A    B" at 1497.83,2143.42 h80
  text "负    正" at 2361.41,2138.58 h80

## Text inside footprints (layer, text, board x,y; h text height)
C3: Top Overlay "+" at 2414.2,886.67 h60 r180
C23: Top Overlay "+" at 1898.07,2223.4 h60 r270
SC1: Bottom Overlay "+" at 1839.88,1193.54 h78.74; Bottom Overlay "-" at 2037.88,1194.03 h78.74
SC2: Bottom Overlay "+" at 2361.41,1193.54 h78.74; Bottom Overlay "-" at 2559.41,1194.03 h78.74
U2: Bottom Overlay "GND" at 2318.95,481.92 h100 r270; Bottom Overlay "V+" at 2400.95,511.28 h100 r270; Bottom Overlay "ACL" at 1552.94,777.58 h100 r270; Bottom Overlay "ACN" at 1751.77,777.58 h100 r270